# KiCad board MiniCamel_long.kicad_pcb (continued)
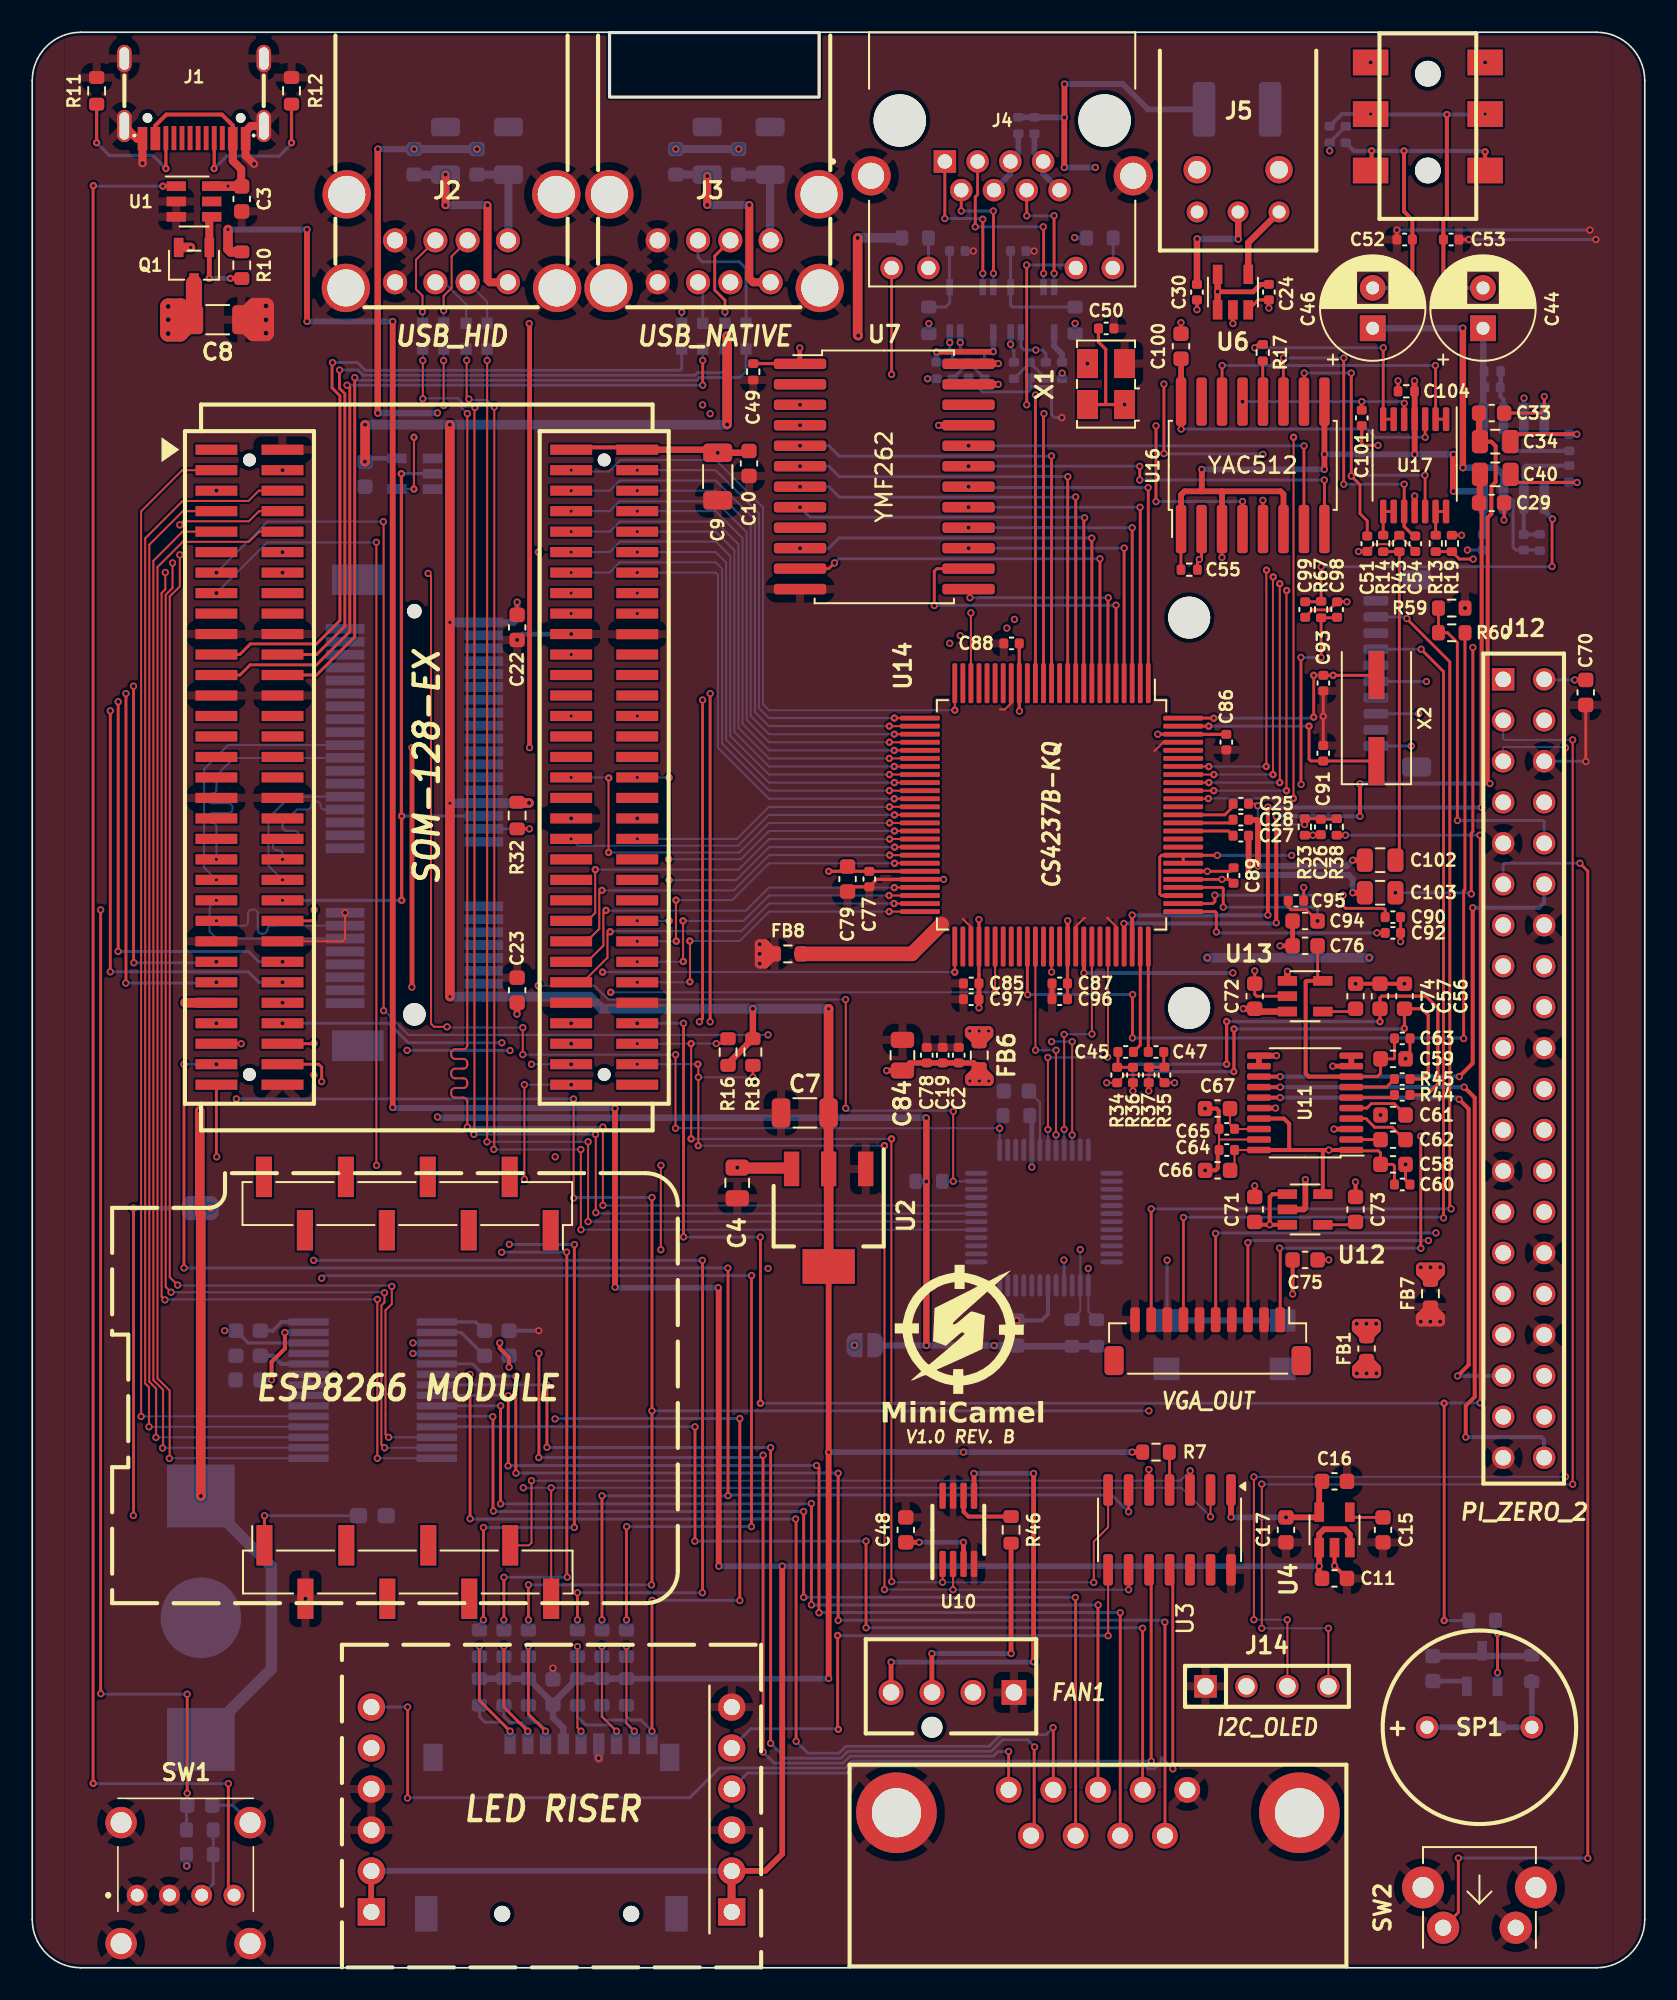
[diagram p0: board, top side]
## Routing (per net, layer and track width the routed paths; a pad name or vN(x,y) marks a point on that pad's centre or on a via; arc(x,y) is an arc through that point) (continued)
Net-(U16-CV): length 20.8
  Top w0.18: U17.3 v1(86.38,94.89) ; v1(71.25,95.4) 71.25,97.09
  Top w0.36: 71.25,97.09 71.25,97.1 71.25,99.75 71.22,99.77
  Bottom w0.18: v1(71.25,95.4) 82.79,95.4 83.3,94.89 v1(86.38,94.89)
Net-(U16-DIN): length 27.1
  Top w0.18: v1(56.21,95.63) 56.22,95.63 ; U16.4 75.06,90.9 v1(75.06,90.91) ; v1(69.69,90.9) v1(69.69,95.6)
  Top w0.4: 56.22,95.63 U7.21
  In1.Cu w0.18: 56.22,95.63 69.66,95.63
  Bottom w0.18: v1(56.21,95.63) 56.22,95.63 ; v1(75.06,90.91) 69.7,90.91 v1(69.69,90.9) ; 69.66,95.63 v1(69.69,95.6)
Net-(U16-MP): length 19.5
  Top w0.18: v1(87.02,99.34) 87.03,99.33 U17.2 U17.1 ; U16.14 73.78,99.33 v1(73.79,99.34)
  Bottom w0.18: v1(73.79,99.34) v1(87.02,99.34)
Net-(U16-SMP1): length 26
  Top w0.18: v1(80.13,92.24) 80.14,92.23 U16.8 ; v1(68.68,93.09) v1(68.68,92.24)
  Bottom w0.18: v1(58.06,93.09) 58.07,93.1 68.67,93.1 v1(68.68,93.09) ; v1(80.13,92.24) v1(68.68,92.24)
Net-(U16-SMP2): length 26
  Top w0.18: U16.7 78.86,94.35 v1(78.87,94.36)
  Bottom w0.18: v1(78.87,94.36) 58.07,94.36 v1(58.06,94.36)
Net-(U16-SWIN): length 2.5
  Top w0.18: R17.2 76.31,97.11
  Top w0.4: 76.31,97.11 U16.12
Net-(U17B--): length 13.6
  Top w0.18: v1(75.81,100.44) 76.02,100.65 R17.1 ; v1(83.79,100.44) 83.78,100.43 U17.7 U17.6
  Bottom w0.18: v1(75.81,100.44) v1(83.79,100.44)
Net-(U17C--): length 2.1
  Top w0.18: R14.2 U17.8 U17.9
Net-(U17D--): length 2.1
  Top w0.18: R13.2 87.03,88.83 U17.13 U17.14

## Copper pours and planes (outline as drawn; the poured copper is in the pictures)
+5VFILT on In2.Cu: 55.97,78.73 55.96,64.23 56.81,64.23 56.8,57.57 60.56,57.57 60.55,62.83 69.61,62.83 69.61,64.23 70.46,64.23 70.46,65.08 71.86,65.08 71.86,77.88 70.46,77.88 70.46,78.73
AGND on In1.Cu: 87.83,41.8 65.92,41.77 65.99,69.94 77.82,69.96 77.78,84.92 73.33,84.92 73.33,85.98 69.62,85.98 69.62,83.5 45.32,83.51 45.33,101.74 70.5,101.62 70.49,109.88 79.63,109.88 79.63,120 96.14,119.98 96.22,87.31 88.04,87.3 87.97,41.8
GND on Top, Bottom: -0.09,-0.05 2,-0.05 1.99,120.06 -0.1,120.08
GND on Top, Bottom: 98,-0.06 100.09,-0.06 100.08,120.05 97.99,120.07
GND on Top, Bottom, In1.Cu: -0.1,120.08 -0.09,-0.05 100.09,-0.06 100.08,120.05
SGND on Top: 55.98,64.23 70.46,64.23 70.46,78.73 55.96,78.73
VCC on In2.Cu: 2,120 2,-0.05 98,-0.06 97.99,120.07

## Text on the board
B.Silkscreen: HIDman: / Hold HID_PRG and connect USB cable to programmer / Flash desired firmware and disconnect USB cable / After programming the HIDman, place solder blob / on JP3 for normal operation / ESP Modem: / Connect USB-C cable to ESP modem and / flash desired firmware from programmer / After programming, please solder blob / on JP6 for normal operation / ATTINY84: / Flash desired HEX file to ATTINY84A / Reboot device to enter normal operation | Based on: / TinyLlama x86 SBC v2.1 / by: Eivind Bøhler
F.Silkscreen: V1.0 REV. B | MiniCamel
